# Altium PCB S7.PcbDoc (part 1 of 6)
Units mm, origin at the board's own origin, x right, y up, seen from the top; angles counter-clockwise.
Board outline 50 x 40 mm, 6 copper layers (Component Side, Inner1, Inner2, Inner3, Inner4, Solder Side), stack 0.696 mm thick; 260 components, 298 nets, 1407 pads, 891 vias.
Unrouted connection lines stored in the file: 262.
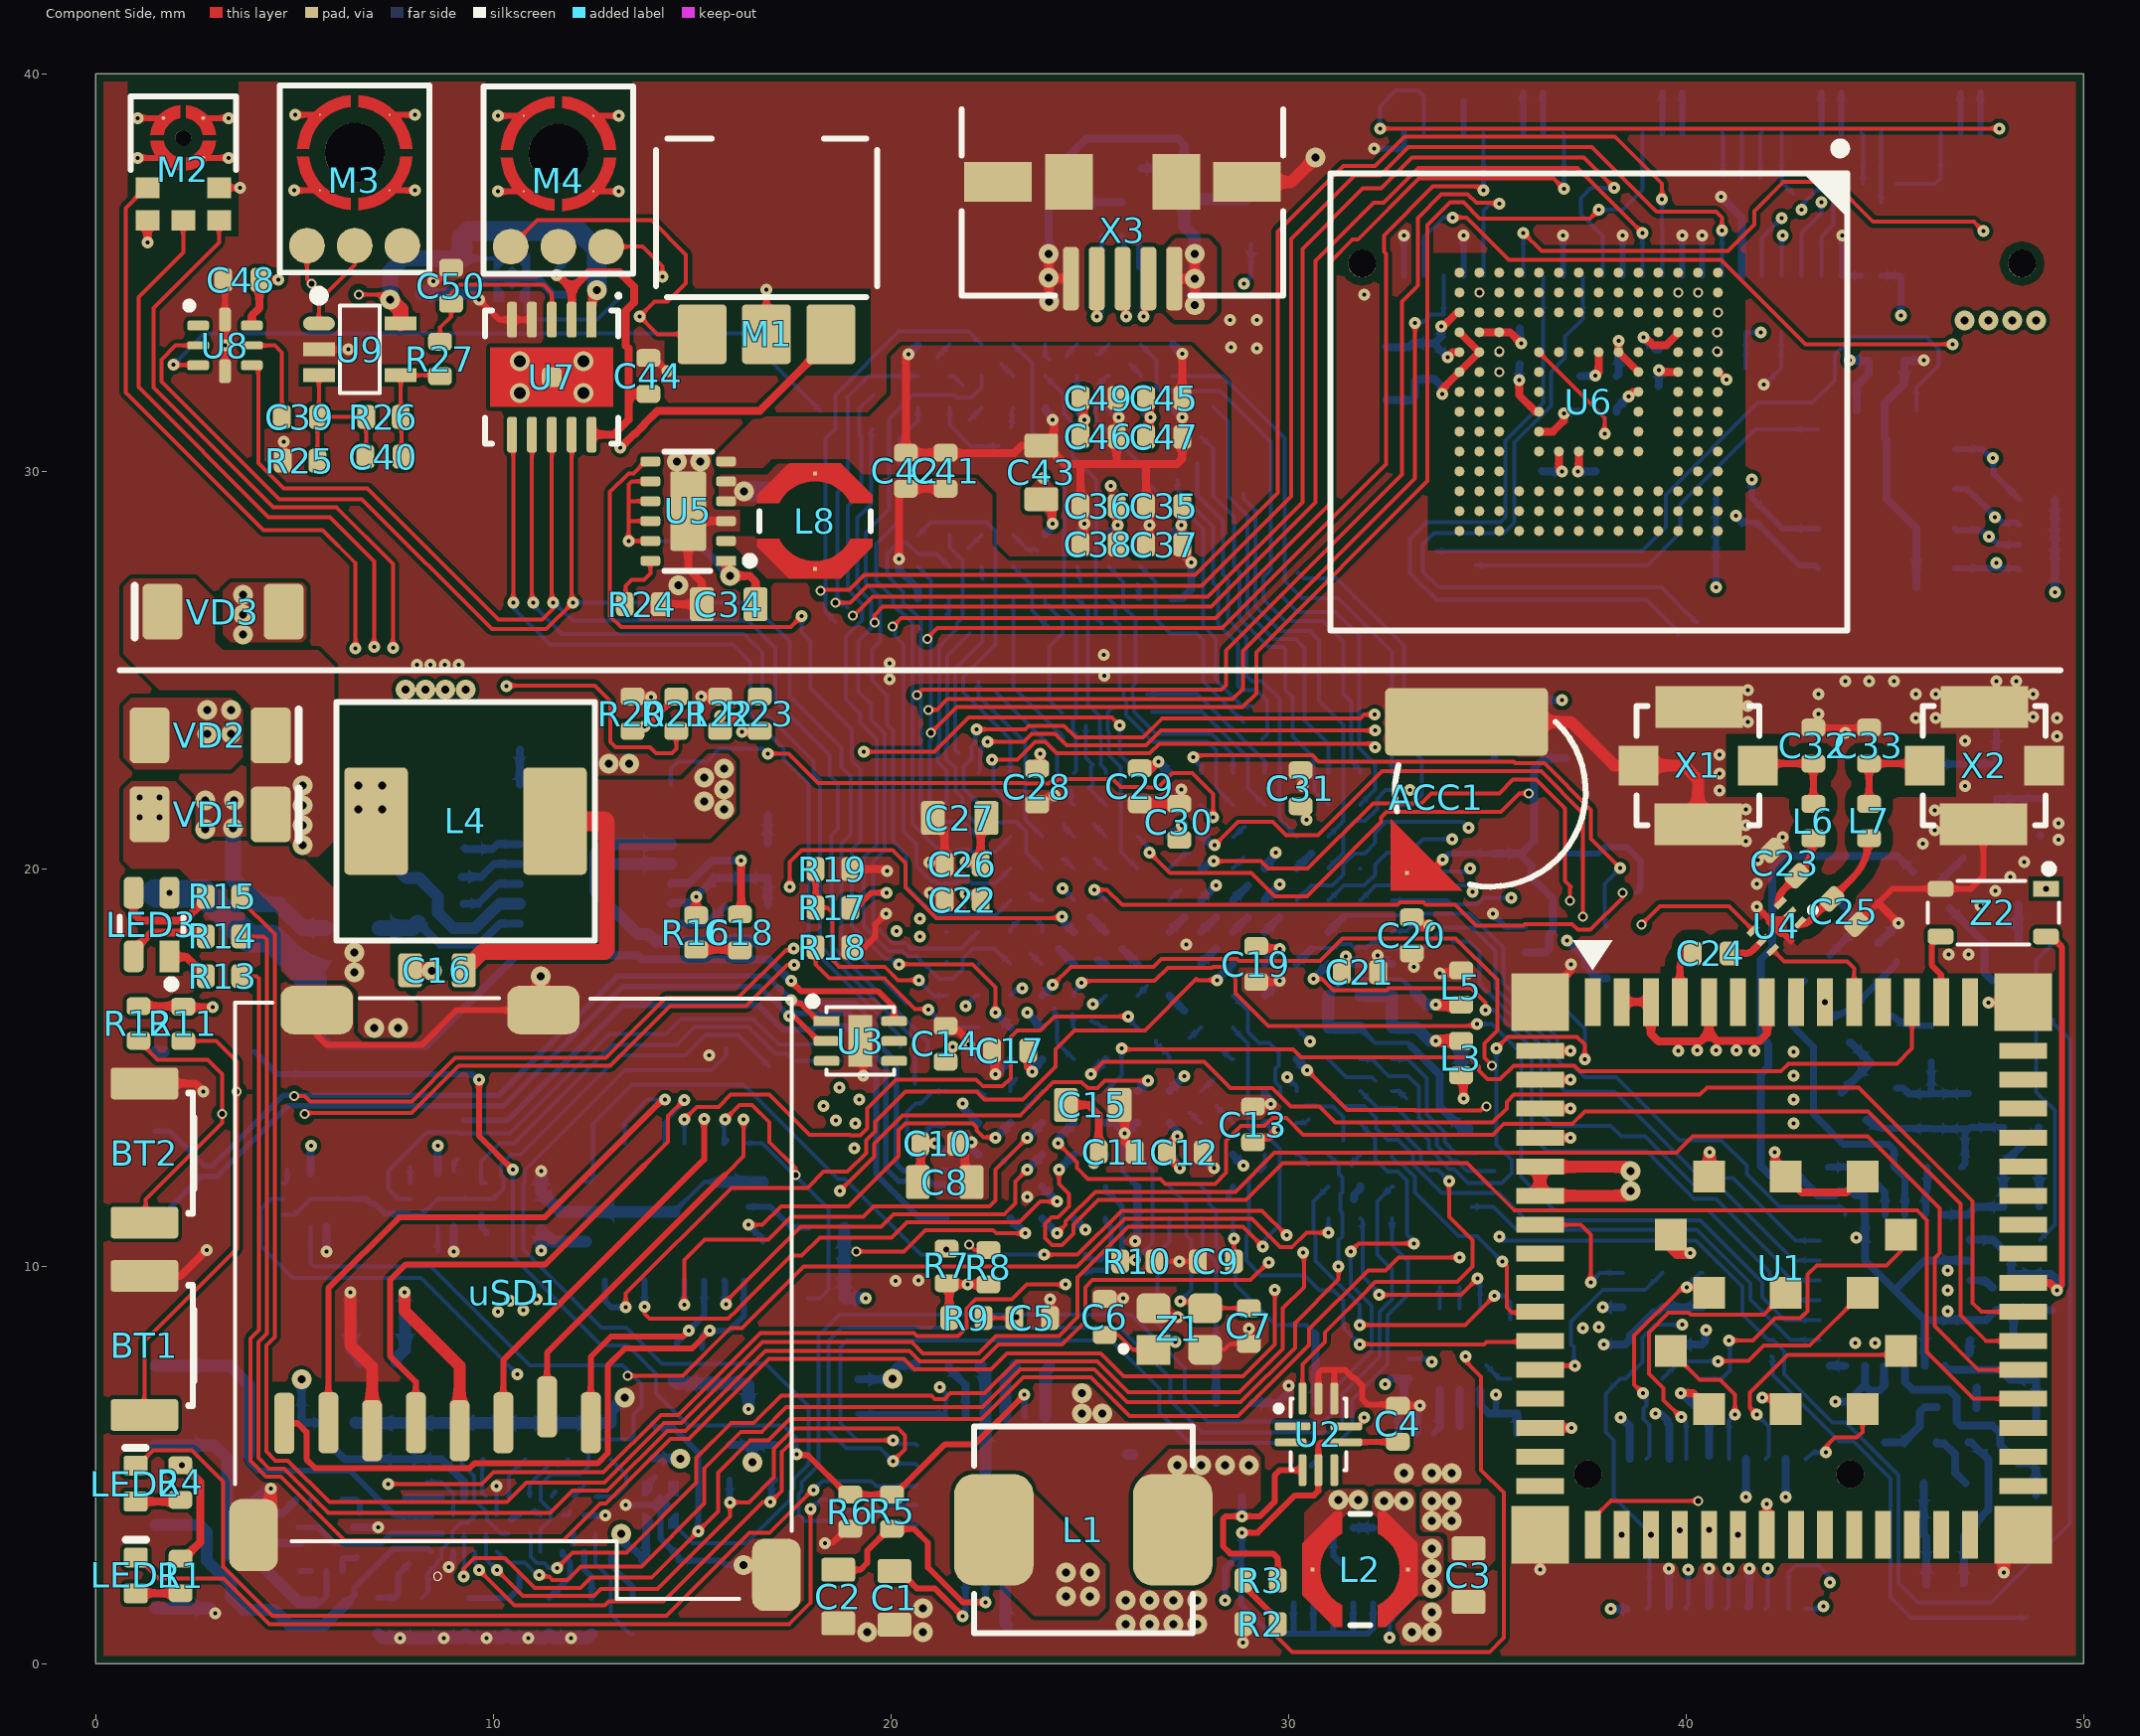
[diagram p0: Component Side view]
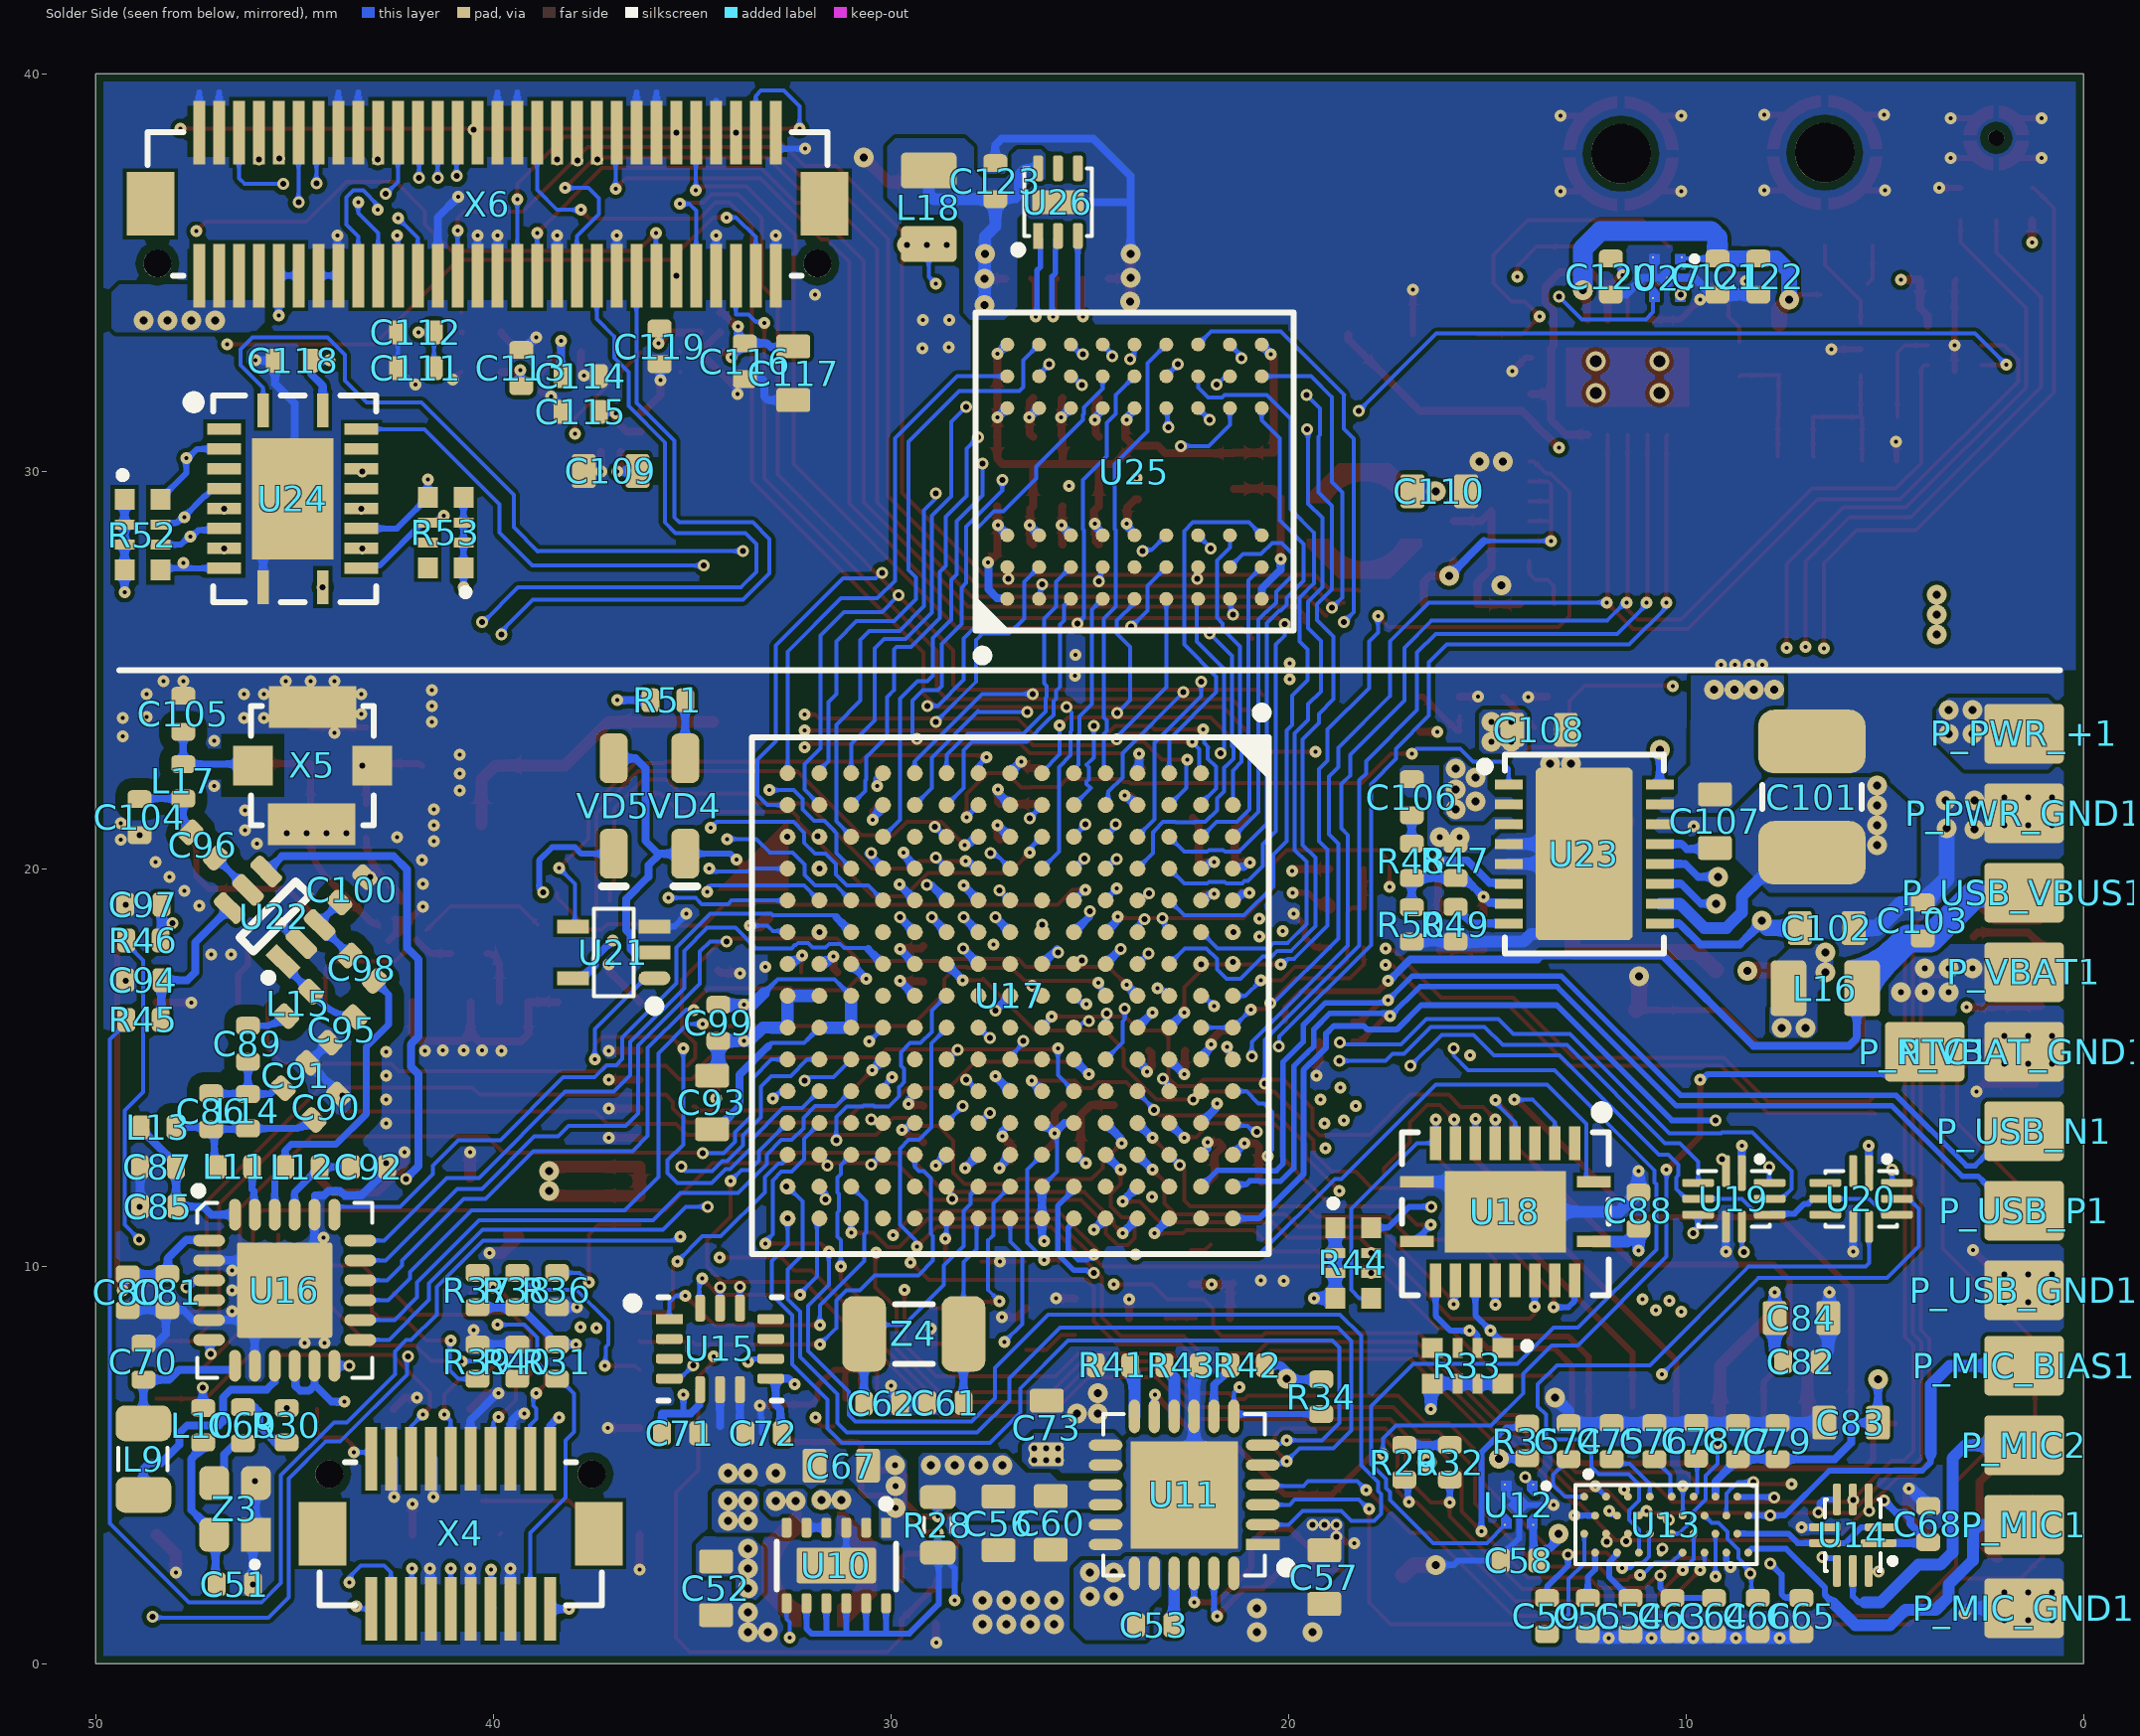
[diagram p1: Solder Side view, seen from below]
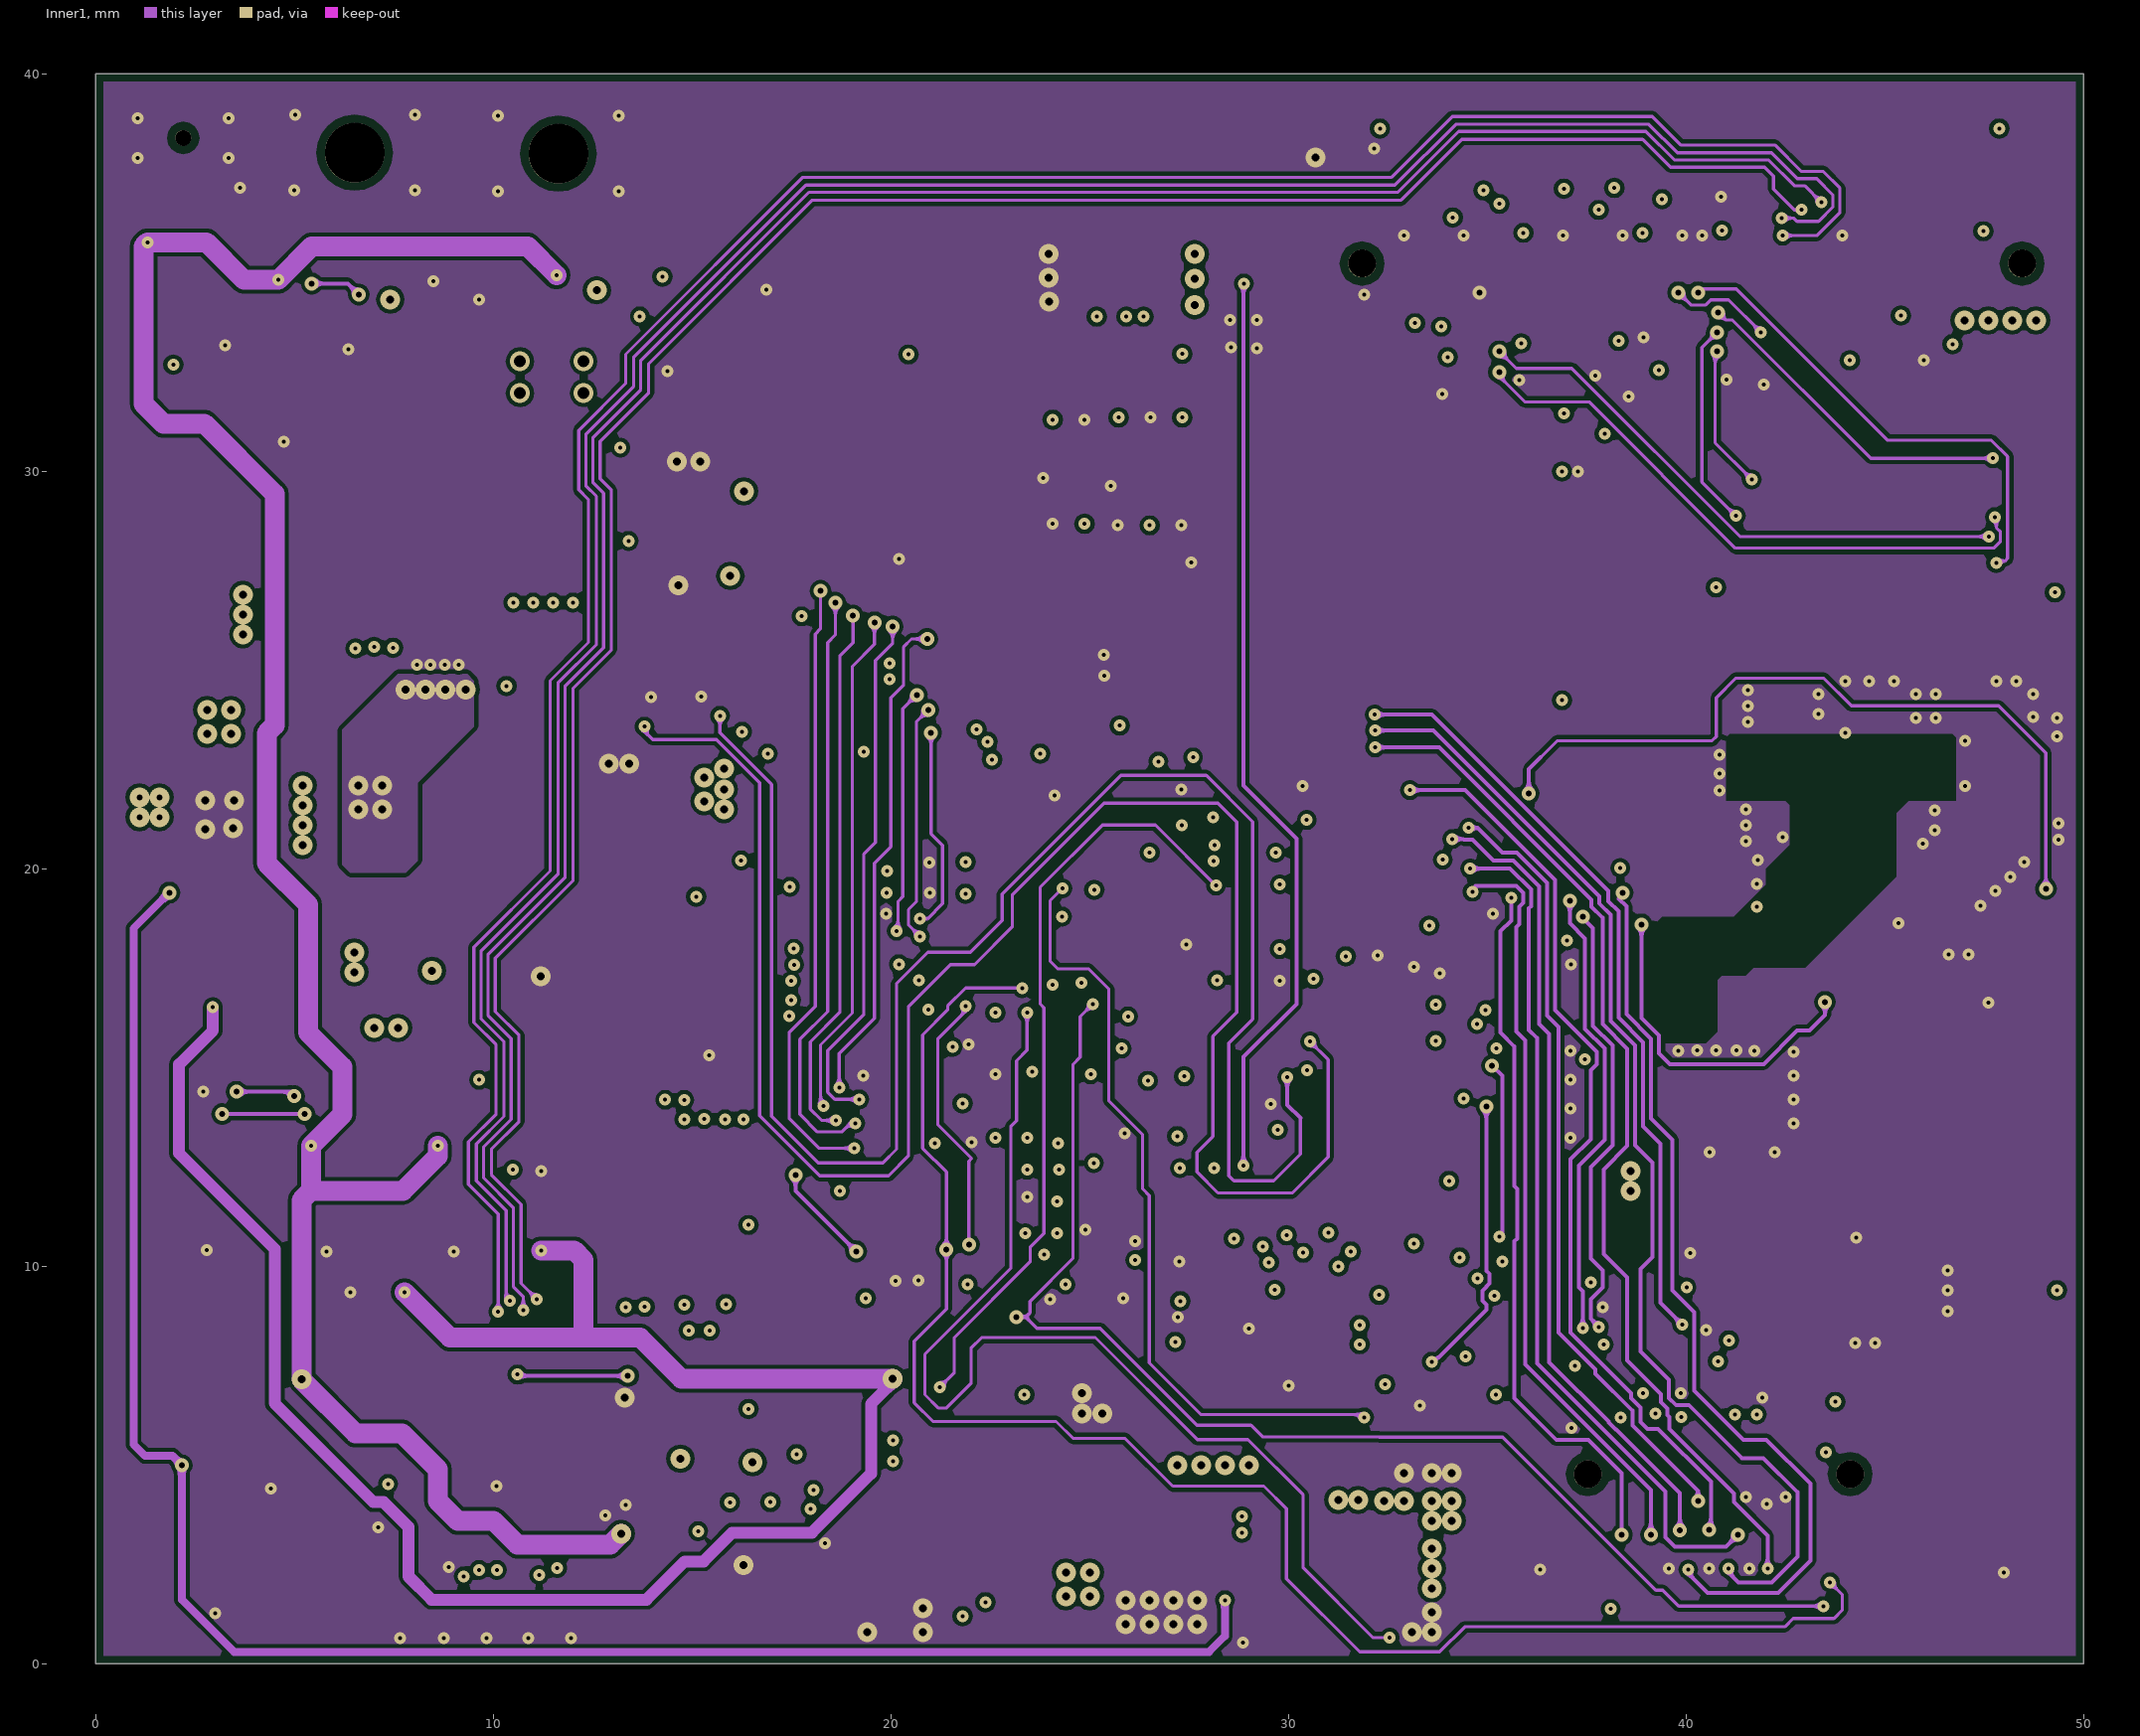
[diagram p2: Inner1]
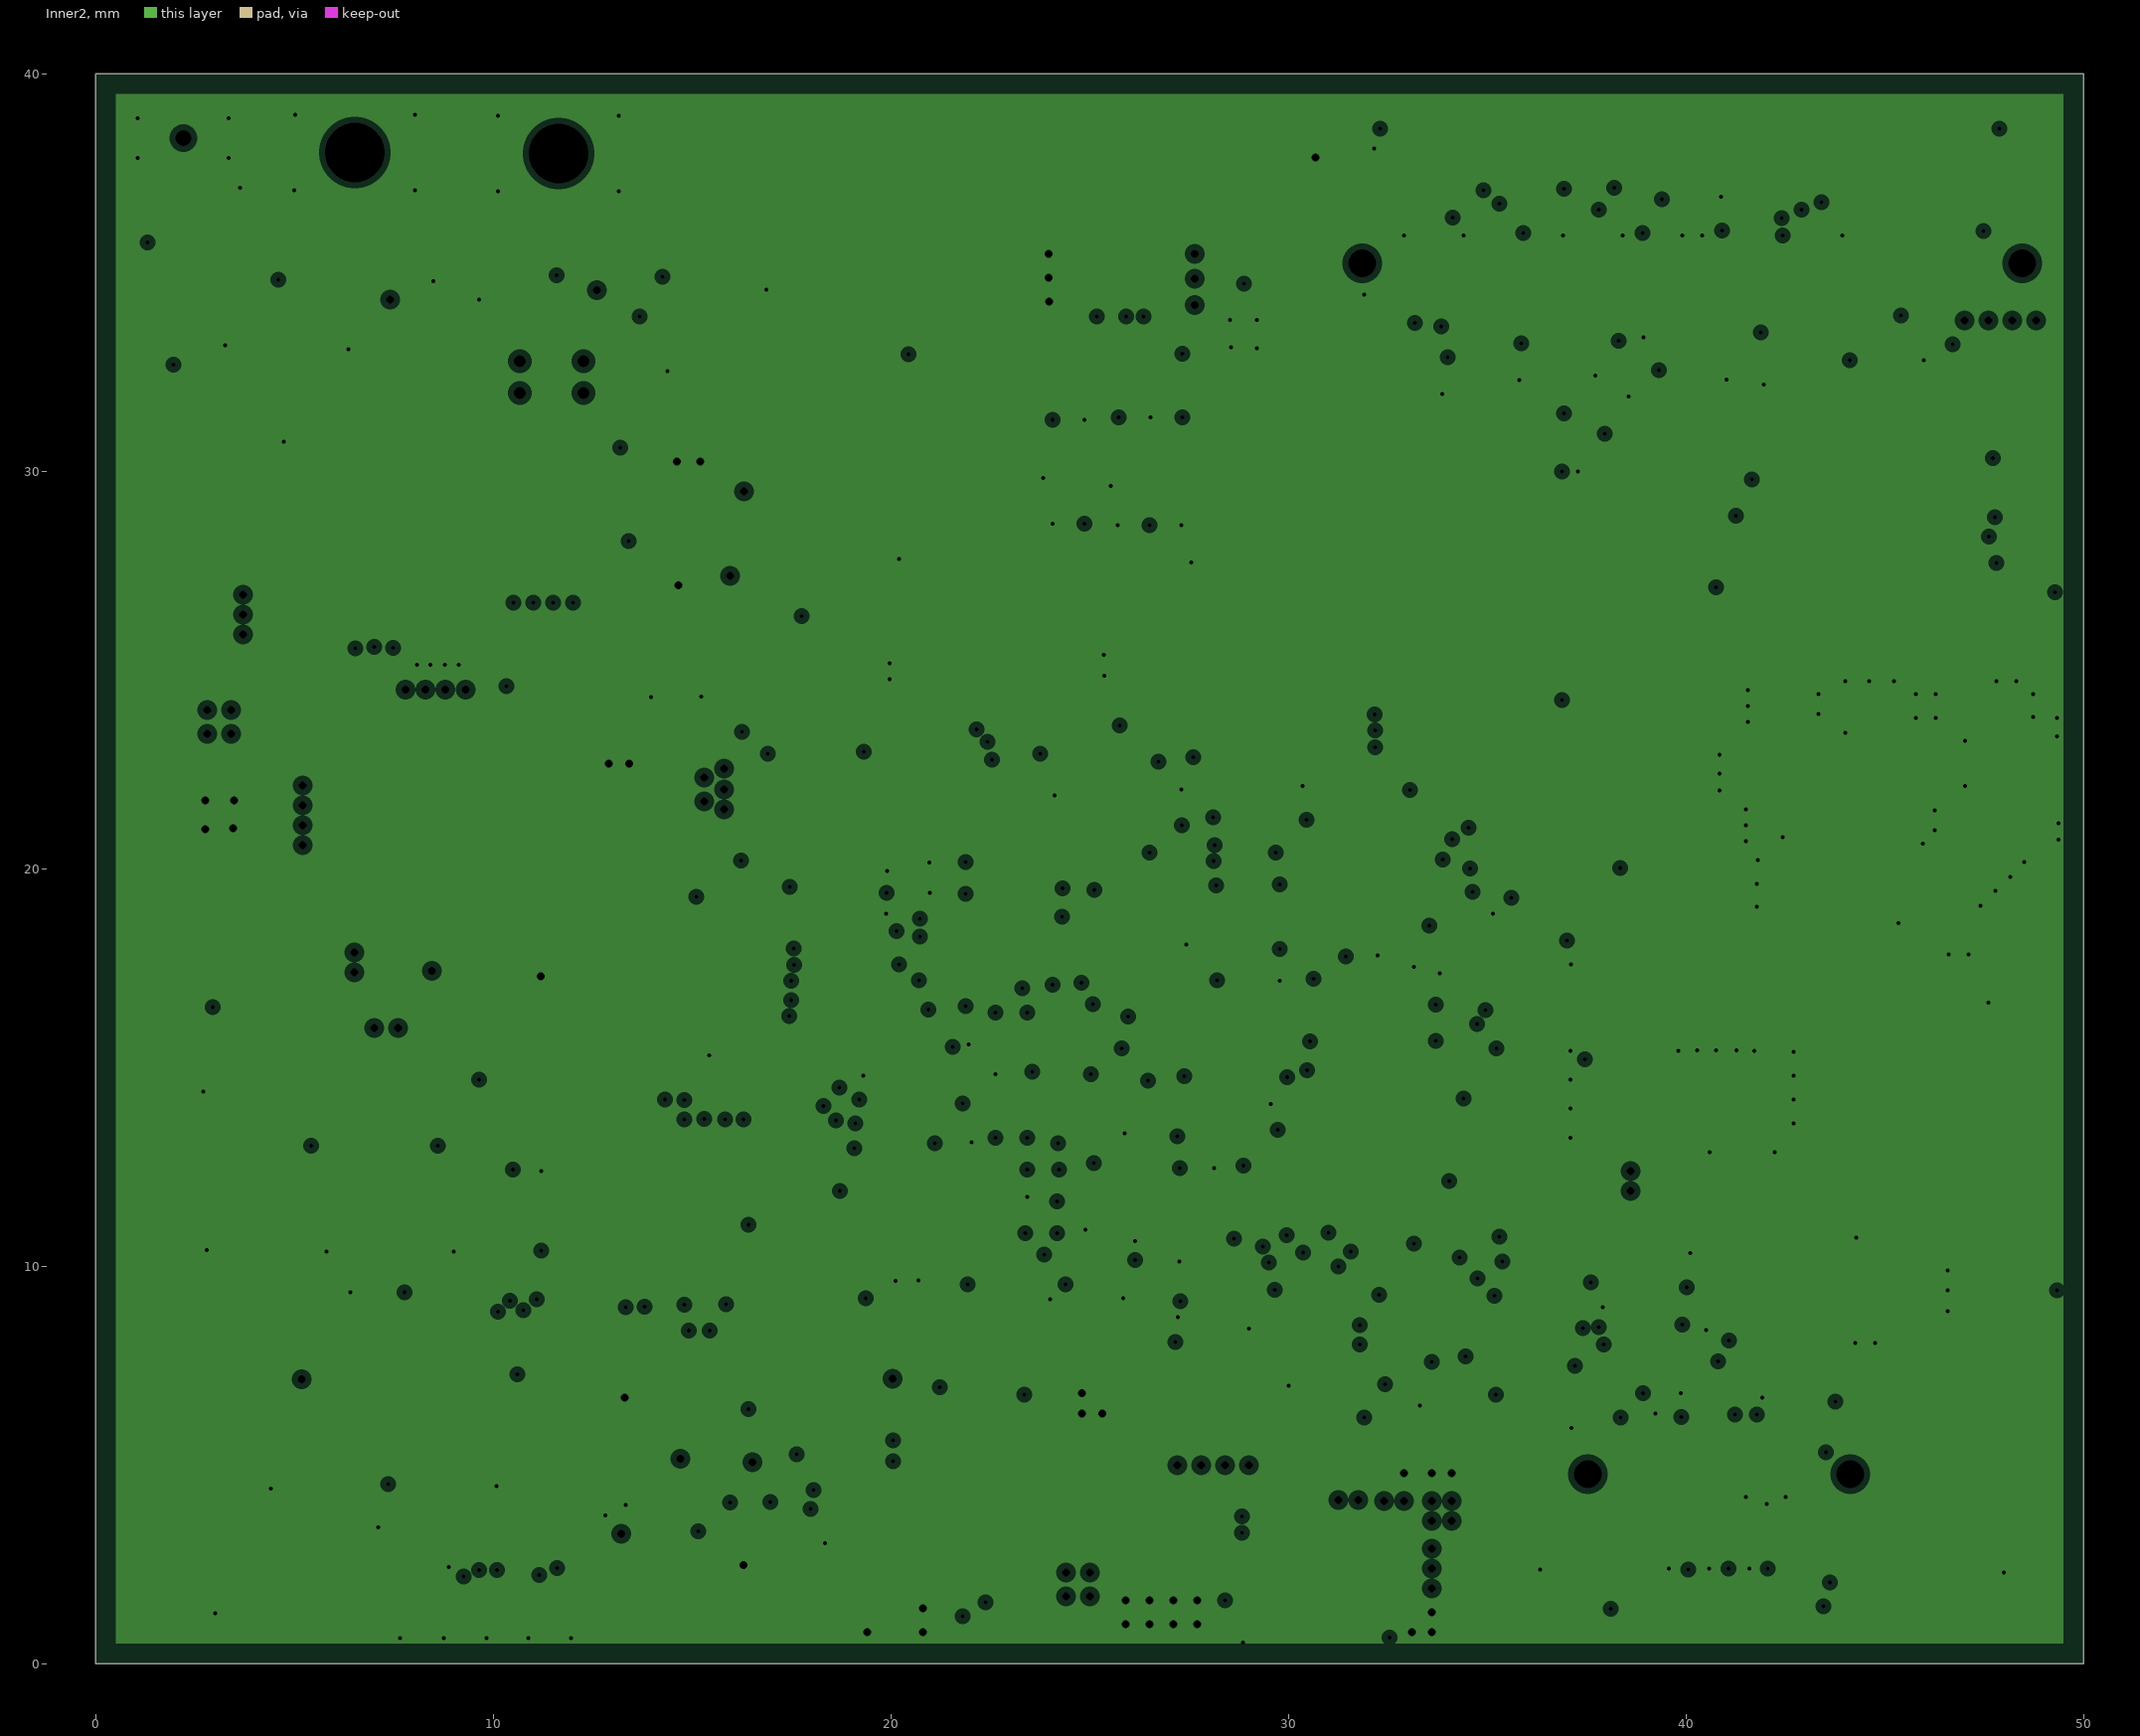
[diagram p3: Inner2, clearances drawn from the general rule]